# Altium PCB 190830 Diff Pressure Sensors.PcbDoc (continued)
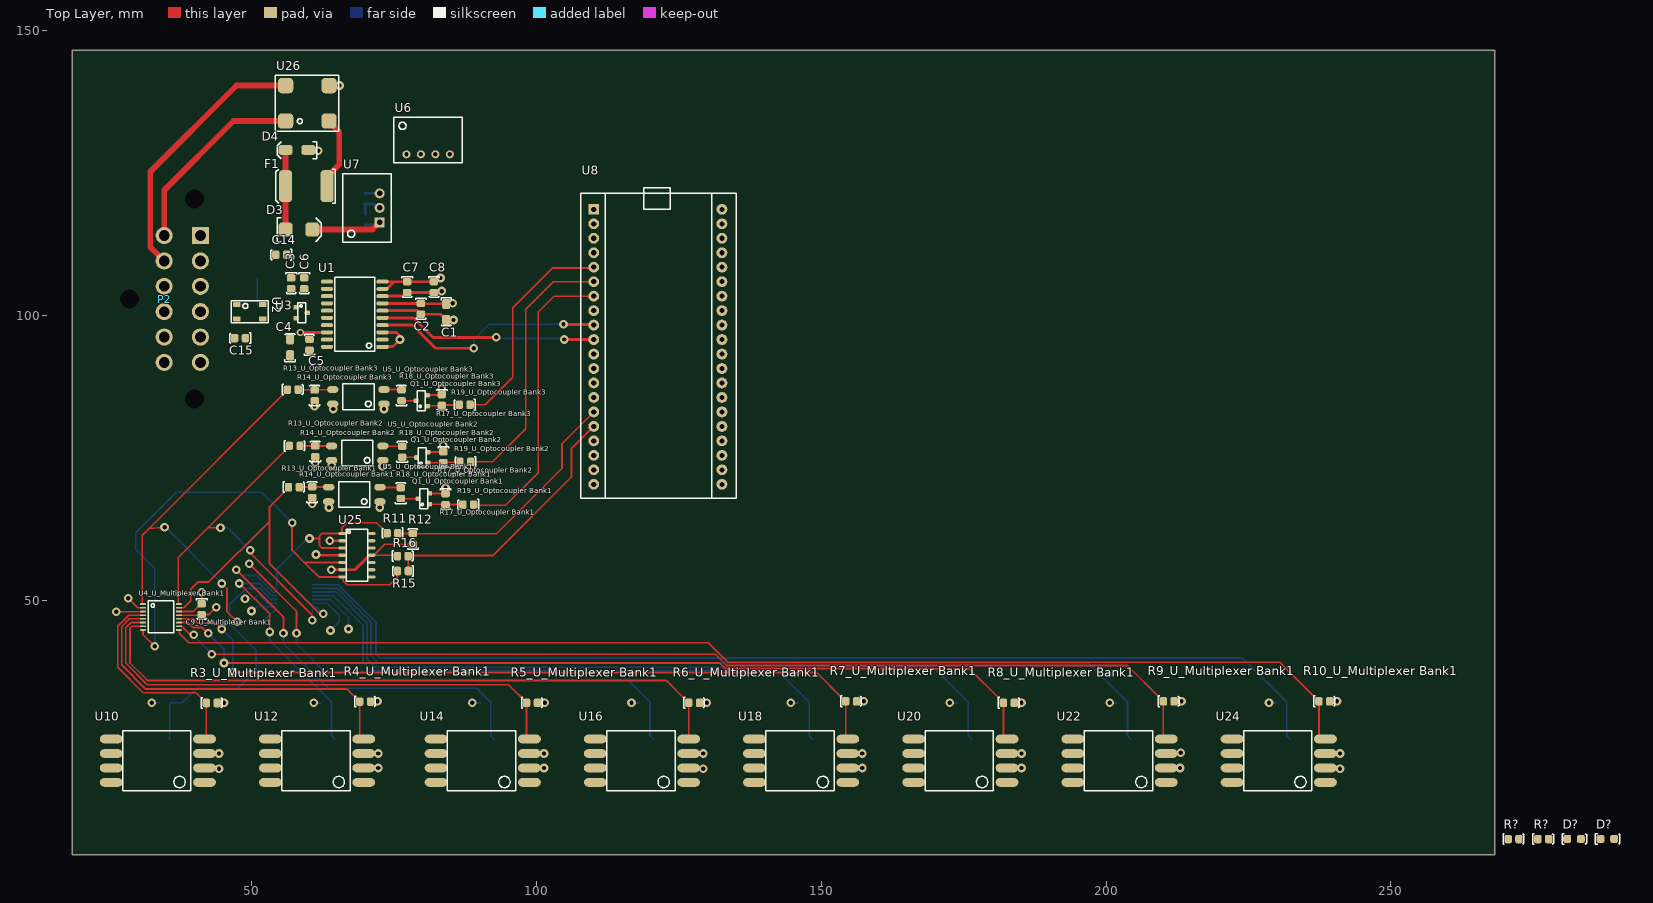
[diagram p0: Top Layer view]
## Footprints (in the part's own frame and the unit in brackets; to place one, negate y for a bottom-side part, rotate by r counter-clockwise, add the part's x,y. Pads: shape width x height; smd on the part's side, far side on the other; paste and mask are expansions set on the pad) (continued)
  oval 1.52x4 smd: 1(-4.08,-10.38) 2(-1.54,-10.38) 3(1,-10.38) 4(3.54,-10.38) 5(3.54,6) 6(1,6) 7(-1.54,6) 8(-4.08,6)
  silkscreen extent -5.5,-8 5,4, body extent -12.97,-10.89 5.95,6.89, height 10.15
"ON 4-SMD" [mm] "SOP, 4-Leads, Body 3.85x4.4mm, Pitch 2.54mm, IPC Medium Density"
  oval 2x1.2 smd: 1(-4.75,1.27) 2(-4.75,-1.27) 3(4.25,-1.27) 4(4.25,1.27)
  silkscreen extent -3,-2.25 2.5,2.25, body extent -5.33,-2.3 4.83,2.3, height 4.6
"ON SOT-23" [mm] "NUP2105L"
  rrect50% 0.8x0.9 smd: 1(-0.95,-1) 2(0.95,-1) 3(0,1)
  silkscreen extent -1.75,-0.65 1.75,0.75, body extent -1.5,-1.27 1.5,1.28, height 1
"ON SOT-23 BJT" [mm] "NUP2105L"
  rrect50% 0.8x0.9 smd: B(-0.95,-1) C(0,1) E(0.95,-1)
  silkscreen extent -1.75,-0.65 1.75,0.75, body extent -1.5,-1.27 1.5,1.28, height 1
"RECOM 3-SIP" [mm] "12 to 42 Vdc In, 9 Vdc Out"
  rect 1.75x1.75 hole 1: 1(0,0)
  round 1.75 hole 1: 2(2.54,0) 3(5.08,0)
  silkscreen extent -3.5,-2 8.5,6.5, body extent -3.26,-2.02 8.34,6.48, height 11.41
"RECOM 4-SIP" [mil]
  round 55 hole 30: 1(-150,0) 2(-50,0) 3(50,0) 4(150,0)
  silkscreen extent -236,-59 236,256, body extent -225,-51 227,249, height 122
"SMA Diode" [mm]
  rrect50% 2.5x1.7 smd: A(0,0) K(4,0)
  silkscreen extent -1.5,-1.4 5.5,1.5, body extent -0.8,-1.46 4.79,1.46, height 2.35
"SMB Diode" [mm]
  rrect50% 2.5x2.5 smd: A(-0.25,0) K(4.45,0)
  silkscreen extent -1.75,-2.1 6,2.1, body extent -0.69,-1.97 4.9,1.97, height 2.5
"TDK 4-PC Pad" [mm]
  rrect50% 1.35x0.9 smd: 1(0,0) 2(0,-2.5) 3(4.55,-2.5) 4(4.55,0)
  silkscreen extent -1,-3.2 5.5,0.7, body extent -0.02,-2.82 4.48,0.38, height 2.8
"TI 14-SOIC" [mil]
  oval 22x52 smd: 1(-750,102.36) 2(-700,102.36) 3(-650,102.36) 4(-600,102.36) 5(-550,102.36) 6(-500,102.36) 7(-450,102.36) 8(-450,307.09) 9(-500,307.09) 10(-550,307.09) 11(-600,307.09) 12(-650,307.09) 13(-700,307.09) 14(-750,307.09)
  silkscreen extent -780,130 -420,280, body extent -770,86 -430,323, height 69
"Wurth 4-PC Pad" [mm]
  rrect50% 2.7x2.7 smd: 1(7.62,6.22) 2(0,6.22) 3(0,0) 4(7.62,0)
  silkscreen extent -1.7,-1.8 9.4,8, body extent -1.19,-1.24 8.81,7.46, height 6.2

## Part data
C1 C4: library part GCM3195C2A103JA16D, Digikey Part Number=490-4978-2-ND, Manufacturer=muRata, Rated Voltage=100V, Tolerance=5%, Material=Ceramic, Part Number=GCM3195C2A103JA16D
C2 C3 C6 C8 "C9_U_Multiplexer Bank1" "C9_U_Multiplexer Bank2": library part GCM21BR71E104KA37L, Manufacturer=muRata, Rated Voltage=25V, Tolerance=10%, Material=X7R, Part Number=GCM21BR71E104KA37L
C5 C7 C10: library part GCM21BR61A106KA37L, Manufacturer=muRata, Rated Voltage=10V, Tolerance=10%, Material=X5R, Part Number=GCM21BR61A106KA37L
C11: library part GRM21BR61A226ME51L, Digikey Part Number=490-10511-1-ND, Manufacturer=muRata, Rated Voltage=10V, Tolerance=20%, Material=X5R, Part Number=GRM21BR61A226ME51L
C12 C13 C14 C15: library part GCM21B5C1H101JA37L, Manufacturer=muRata, Rated Voltage=50V, Tolerance=5%, Material=C0G, Part Number=GCM21B5C1H101JA37L
D3: "1.2V_F 600V 5A SMB", Digikey Part Number=1655-1530-2-ND, Manufacturer="SMC Diode Solutions", Digikey Link=https://www.digikey.com/product-detail/en/smc-diode-solutions/SD560BTR/1655-1530-2-ND/6022620, Part Number=SD560BTR
D4: "18V Zener 1W SND", Digikey Part Number=SMAZ18-FDITR-ND, Manufacturer="Diodes Inc", Digikey Link=https://www.digikey.com/product-detail/en/diodes-incorporated/SMAZ18-13-F/SMAZ18-FDITR-ND/814767, Part Number=SMAZ18-13-F
D? D?: library part HSMC-C150, "LED RED DIFFUSED CHIP SMD", Colour=Red, Digikey Part Number=516-2825-6-ND, Manufacturer="Broadcom Limited", Digikey Link=https://www.digikey.com/product-detail/en/broadcom-limited/HSMC-C150/516-2825-6-ND/3909256?fbclid=IwAR2hVV2vYJcbWsIs_3EqR0QBOyA6LwU6df6IvICmZNpvG1t88kw8zHX_qN0, Part Number=HSMC-C150
F1: "SMD 24V 2A Fuse", Digikey Part Number=507-1749-2-ND, Manufacturer="Bel Fuse Inc", Digikey Link=https://www.digikey.com/product-detail/en/bel-fuse-inc/0ZCF0200AF2C/507-1749-2-ND/4156090, Part Number=0ZCF0200AF2C
P2: library part DT13-12P[[/\]]DT13-12P, Digikey Part Number=1734-1451-ND, Angle=90, Contact=Nickel, Digikey Link=https://www.digikey.com.au/product-detail/en/te-connectivity-deutsch-connectors/DT13-12PA/1734-1451-ND/7220123, Flange=Yes, Part Number=DT13-12P, Pitch=4.44mm, Positions=12, Row Spacing=6.35mm
"Q1_U_Optocoupler Bank1" "Q1_U_Optocoupler Bank2" "Q1_U_Optocoupler Bank3": "300mW  BJT NPN Transistor", Digikey Part Number=BC817-16LT1OSTR-ND, Manufacturer="ON Semiconductor", Digikey Link=https://www.digikey.com.au/product-detail/en/on-semiconductor/BC817-16LT1/BC817-16LT1OSTR-ND/606178, Part Number=BC817-16LT1
R1: library part RC0805FR070RL, Manufacturer=YAGEO, Rated Voltage=0.125W, Tolerance=0.01, Material=FR-07, Part Number=RC0805FR070RL, Qty=50
"R3_U_Multiplexer Bank1" "R3_U_Multiplexer Bank2" "R4_U_Multiplexer Bank1" "R4_U_Multiplexer Bank2" "R5_U_Multiplexer Bank1" "R5_U_Multiplexer Bank2" "R6_U_Multiplexer Bank1" "R6_U_Multiplexer Bank2" "R7_U_Multiplexer Bank1" "R7_U_Multiplexer Bank2" "R8_U_Multiplexer Bank1" "R8_U_Multiplexer Bank2" "R9_U_Multiplexer Bank1" "R9_U_Multiplexer Bank2" "R10_U_Multiplexer Bank1" "R10_U_Multiplexer Bank2" "R14_U_Optocoupler Bank1" "R14_U_Optocoupler Bank2" "R14_U_Optocoupler Bank3" "R17_U_Optocoupler Bank1" "R17_U_Optocoupler Bank2" "R17_U_Optocoupler Bank3": library part RC0805FR0710KL, Manufacturer=YAGEO, Rated Voltage=0.125W, Tolerance=0.01, Material=FR-07, Part Number=RC0805FR0710KL, Qty=50
R11 R15: library part RC0805FR07430RL, Manufacturer=YAGEO, Rated Voltage=0.125W, Tolerance=0.01, Material=FR-07, Part Number=RC0805FR07430RL, Qty=50
R12 R16: library part RC0805FR072KL, Manufacturer=YAGEO, Rated Voltage=0.125W, Tolerance=0.01, Material=FR-07, Part Number=RC0805FR072KL, Qty=50
"R13_U_Optocoupler Bank1" "R13_U_Optocoupler Bank2" "R13_U_Optocoupler Bank3" "R18_U_Optocoupler Bank1" "R18_U_Optocoupler Bank2" "R18_U_Optocoupler Bank3" "R19_U_Optocoupler Bank1" "R19_U_Optocoupler Bank2" "R19_U_Optocoupler Bank3": library part RC0805FR071KL, Manufacturer=YAGEO, Rated Voltage=0.125W, Tolerance=0.01, Material=FR-07, Part Number=RC0805FR071KL, Qty=50
R? R?: library part RC0805FR071K5L, Manufacturer=YAGEO, Rated Voltage=0.125W, Tolerance=0.01, Material=FR-07, Part Number=RC0805FR071K5L, Qty=50
U1: "Isolated CAN Transceiver", Digikey Part Number=ADM3053BRWZ-ND, Manufacturer="Analogue Devices", Digikey Link=https://www.digikey.com/product-detail/en/analog-devices-inc/ADM3053BRWZ/ADM3053BRWZ-ND/2709332, Part Number=ADM3053
U2: "Common mode choke intended for CANBUS 150mA 50V)", Digikey Part Number=495-4598-2-ND, Manufacturer="EPCOS (TDK)", Digikey Link=https://www.digikey.com/product-detail/en/epcos-tdk/B82787C0104H002/495-4598-2-ND/3680998, Part Number=B82787C0104H002
U3: "Dual Line CAN Bus Protector", Digikey Part Number=NUP2105LT1GOSCT-ND, Manufacturer="ON Semiconductor", Digikey Link=https://www.digikey.com/product-detail/en/on-semiconductor/NUP2105LT1G/NUP2105LT1GOSCT-ND/1485001, Part Number=NUP2105L, Type="CAN ESD Protection"
"U4_U_Multiplexer Bank1" "U4_U_Multiplexer Bank2": "2 Circuit IC Switch 4:1 4.5 Ohm 16-TSSOP", Digikey Part Number=ADG709CRUZ-REEL7TR-ND, Manufacturer="Analogue Devices", Digikey Link=https://www.digikey.com/product-detail/en/analog-devices-inc/ADG709CRUZ-REEL7/ADG709CRUZ-REEL7TR-ND/995219, Part Number=ADG709
"U5_U_Optocoupler Bank1" "U5_U_Optocoupler Bank2" "U5_U_Optocoupler Bank3": "35V 50ma Optocoupler (VF=1.2V)", Digikey Part Number=160-1893-2-ND, Manufacturer="Lite-On Inc", Digikey Link=https://www.digikey.com/product-detail/en/lite-on-inc/LTV-817S-TA1/160-1893-2-ND/388451, Part Number=LTV-817S-TA1
U6: "5V DC-DC Converter (2W)", Digikey Part Number=945-1189-ND, Manufacturer=Recom, Digikey Link=https://www.digikey.com/product-detail/en/recom-power/RI-0505S/945-1189-ND/2256369, Part Number=RI-0505S
U7: "CONV DC/DC 1A 5V OUT SIP VERT", Digikey Part Number=945-1395-5-ND, Manufacturer=Recom, Digikey Link=https://www.digikey.com.au/product-detail/en/recom-power/R-78C5.0-1.0/945-1395-5-ND/2652148, Part Number=R-78C5.0-1.0
U8: "ARM M3 mBed Enabled Microcontroller", Digikey Part Number=568-4916-ND, Manufacturer=NXP, Digikey Link=https://www.digikey.com/product-detail/en/nxp-usa-inc/OM11043,598/568-4916-ND/2138502, Part Number="LPC1768 MBED"
U9 U10 U11 U12 U13 U14 U15 U16 U17 U18 U19 U20 U21 U22 U23 U24: "Pressure Sensor ±0.29PSI (±2kPa) Differential Male - 0.13\" (3.3mm) Tube, Dual 0.5 V ~ 4.5 V 8-BSOP (0.475\", 12.06mm Width) Dual Ports, Same Side", Digikey Part Number=MPXV7002DP-ND, Manufacturer=NXP, Digikey Link=https://www.digikey.com.au/product-detail/en/nxp-usa-inc/MPXV7002DP/MPXV7002DP-ND/1168436?fbclid=IwAR0MQZl90cLpuihBZbsL3GvMnSHGSbwsdkIDRrDTi8UoGVz_88UawI4CY1w, Part Number=MPXV7002DP
U25: "IC OPAMP GP 4 CIRCUIT 14SOIC", Digikey Part Number=296-1390-5-ND, Manufacturer="Texas Instruments", Digikey Link=https://www.digikey.com/product-detail/en/texas-instruments/LM324D/296-1390-5-ND/277039, Part Number=LM324D
U26: "Common Mode Choke 120UH 2.5A 2LN 460 OHM SMD", Digikey Part Number=732-1489-2-ND, Manufacturer="Wurth Electronics Inc", Digikey Link=https://www.digikey.com/product-detail/en/wurth-electronics-inc/744272121/732-1489-2-ND/1638893, Part Number=744272121

## Via types
v1: diameter 1.524, hole 0.762, Top Layer to Bottom Layer, 88 vias
v2: diameter 1.27, hole 0.711, Top Layer to Bottom Layer, 1 vias

## Nets (pads, with @x,y where several pads share a name; then routed paths per layer and width w, separated by ;. In a path a pad name is that pad's centre, name@x,y a point inside that pad or via, vN(x,y) a via of type N, cw(c..) or ccw(c..) an arc to the next point about the centre after c; other vN are vias at no path point)
0V: "C9_U_Multiplexer Bank1.1" "C9_U_Multiplexer Bank2.1" "R14_U_Optocoupler Bank1.1" "R14_U_Optocoupler Bank2.1" "R14_U_Optocoupler Bank3.1" "U4_U_Multiplexer Bank1.3" "U4_U_Multiplexer Bank1.14" "U4_U_Multiplexer Bank2.3" "U4_U_Multiplexer Bank2.14" C10.1 C11.1 D4.A R12.1 R16.1 R?.1@270.564,8.102 U6.1 U7.2 U9.3 U10.3 U11.3 U12.3 U13.3 U14.3 U15.3 U16.3 U17.3 U18.3 U19.3 U20.3 U21.3 U22.3 U23.3 U24.3 U25.2 U25.6 U25.11 U26.3 | length 79.1
  Top Layer w0.3: v1(26.289,48.006) 30.958,48.006 30.988,48.036 ; 37.288,48.036 39.808,48.036 41.175,49.403 41.275,49.403 v1(41.275,51.435) ; U10.3 v1(44.323,23.114) ; U12.3 v1(72.263,23.114) ; U25.11@71.31,57.912 71.501,57.912 73.411,59.822 R12.1 ; U25.11@71.322,57.901 R16.1@75.477,57.901 ; U14.3 v1(101.346,23.114) ; U16.3 v1(129.286,23.114) ; U18.3 v1(157.226,23.114) ; U20.3 v1(185.166,23.114) ; U22.3 210.627,23.177 213.042,23.177 v1(213.106,23.241) ; U24.3 v1(241.046,23.114)
  Top Layer w0.5: v1(64.008,55.372) U25.6 68.199,55.372 70.739,57.912 U25.11 ; v1@64.008,60.452 U25.2 ; U25.11@71.31,57.912 U25.11@71.322,57.901 ; R16.1@75.477,57.901 R16.1 R16.1@75.619,57.659
  Top Layer w1: D4.A 60.131,128.908 v1(61.757,128.908) ; 60.68,68.028 60.703,68.005 60.703,66.932 v1(60.706,66.929) ; v1(61.214,74.168) 61.214,75.189 ; U26.3 63.628,140.333 v1(65.477,140.333)
  Bottom Layer w0.3: v1(48.895,50.292) 50.107,50.292 50.169,50.354 50.561,50.354 50.953,50.746 ; 51.461,50.873 52.834,49.5 54.406,49.5 ; 60.706,49.5 63.276,49.5 65.405,47.371 65.405,46.228 v1(63.881,44.704)
  Bottom Layer w0.5: C10.1 69.977,117.828 69.977,119.535 C11.1 71.49,119.561 72.179,118.872 U7.2
  other v1: 63.754,60.452 61.087,84.074
"0V (ISO)": "Q1_U_Optocoupler Bank1.E" "Q1_U_Optocoupler Bank2.E" "Q1_U_Optocoupler Bank3.E" "R17_U_Optocoupler Bank1.1" "R17_U_Optocoupler Bank2.1" "R17_U_Optocoupler Bank3.1" C1.1 C2.1 C7.1 C8.1 R?.1@275.771,8.102 U1.1 U1.3 U1.7 U1.9 U1.10 U6.3 U8.3 | length 44.2
  Top Layer w0.3: 80.899,85.979 80.96,86.04 83.378,86.04 83.439,86.101 ; 81.01,76.007 81.043,76.04 83.66,76.04 83.693,76.073 ; 81.264,68.768 81.297,68.735 84.041,68.735 84.074,68.702
  Top Layer w0.5: U1.1 73.076,94.539 74.854,94.539 v1(76.073,95.758) 76.073,96.393 75.438,97.028 U1.3 ; U1.7 C2.1 79.819,102.044 84.138,102.044 C1.1 84.264,102.044 85.281,102.044 v1(85.344,102.108) ; U1.9 73.749,104.648 75.019,105.918 ; U1.10 75.019,105.918 ; v1(83.185,106.553) 82.989,106.357 82.622,106.357 82.183,105.918 C8.1 C7.1 75.019,105.918
  Top Layer w1: 83.439,86.101 v1(83.439,87.122) ; 83.693,76.073 v1(83.693,77.216) ; 84.074,68.702 v1(84.074,69.723)
"5kW Active": P2.8
5V: "C9_U_Multiplexer Bank1.2" "C9_U_Multiplexer Bank2.2" "R3_U_Multiplexer Bank1.2" "R3_U_Multiplexer Bank2.2" "R4_U_Multiplexer Bank1.2" "R4_U_Multiplexer Bank2.2" "R5_U_Multiplexer Bank1.2" "R5_U_Multiplexer Bank2.2" "R6_U_Multiplexer Bank1.2" "R6_U_Multiplexer Bank2.2" "R7_U_Multiplexer Bank1.2" "R7_U_Multiplexer Bank2.2" "R8_U_Multiplexer Bank1.2" "R8_U_Multiplexer Bank2.2" "R9_U_Multiplexer Bank1.2" "R9_U_Multiplexer Bank2.2" "R10_U_Multiplexer Bank1.2" "R10_U_Multiplexer Bank2.2" "U4_U_Multiplexer Bank1.2" "U4_U_Multiplexer Bank1.13" "U4_U_Multiplexer Bank2.2" "U4_U_Multiplexer Bank2.13" "U5_U_Optocoupler Bank1.4" "U5_U_Optocoupler Bank2.4" "U5_U_Optocoupler Bank3.4" C11.2 D?.A@280.937,8.128 U6.2 U7.3 U9.2 U10.2 U11.2 U12.2 U13.2 U14.2 U15.2 U16.2 U17.2 U18.2 U19.2 U20.2 U21.2 U22.2 U23.2 U24.2 U25.4 | length 74.4
  Top Layer w0.3: v1(28.384,50.355) 30.054,48.686 30.988,48.686 ; 37.288,47.386 41.158,47.386 41.275,47.503 42.55,47.503 v1(43.815,48.768) ; U10.2 41.846,20.511 44.259,20.511 v1(44.323,20.447) ; 43.991,31.978 44.004,31.991 45.199,31.991 v1(45.212,32.004) ; U12.2 v1(72.263,20.574) ; 70.915,32.232 70.928,32.245 72.123,32.245 v1(72.136,32.258) ; U14.2 v1(101.346,20.574) ; 100.203,32.004 v1(101.473,32.004) ; U16.2 126.807,20.511 129.222,20.511 v1(129.286,20.447) ; 128.651,32.004 v1(129.921,32.004) ; U18.2 v1(157.226,20.574) ; 156.205,32.258 v1(157.48,32.258) ; U20.2 v1(185.166,20.574) ; 183.891,32.004 v1(185.166,32.004) ; U22.2 v1(212.979,20.574) ; 211.963,32.258 v1(213.233,32.258) ; U24.2 238.567,20.511 240.982,20.511 v1(241.046,20.447) ; 239.263,32.258 v1(240.538,32.258)
  Top Layer w0.5: v1(61.341,58.039) 61.468,57.912 U25.4
  Top Layer w1: 63.568,67.31 63.624,67.254 63.624,66.297 v1(63.627,66.294) ; 64.076,74.549 64.132,74.493 64.132,73.663 v1(64.135,73.66)
  Bottom Layer w0.3: v1(32.512,32.004) 33.787,32.004 ; v1(50.038,48.133) 50.24,48.133 50.953,48.846 51.053,48.846 ; 51.461,48.973 51.584,48.85 54.406,48.85 ; 60.706,50.15 63.896,50.15 67.056,46.99 v1(67.056,44.958) ; v1(60.96,32.004) 60.973,31.991 62.168,31.991 62.181,31.978 ; v1(88.773,32.004) 88.786,31.991 90.108,31.991 90.121,31.978 ; v1(116.713,32.004) 116.726,31.991 118.048,31.991 118.061,31.978 ; v1(144.653,32.004) 144.666,31.991 145.988,31.991 146.001,31.978 ; v1(172.593,32.004) 172.606,31.991 173.928,31.991 173.941,31.978 ; v1(200.66,32.004) 200.673,31.991 201.868,31.991 201.881,31.978 ; v1(228.6,32.004) 228.613,31.991 229.808,31.991 229.821,31.978
  Bottom Layer w0.5: C11.2 69.975,121.436 72.493,121.436 U7.3
  other v1: 64.389,83.566
"5V (ISO)": "U5_U_Optocoupler Bank1.1" "U5_U_Optocoupler Bank2.1" "U5_U_Optocoupler Bank3.1" C1.2 C2.2 C7.2 C8.2 D?.A@286.779,8.128 U1.6 U1.8 U6.4 U8.2 | length 27
  Top Layer w0.5: U1.6 79.126,100.838 C2.2 83.174,100.208 83.613,99.769 83.759,99.769 84.201,99.327 C1.2 84.204,99.184 85.468,99.184 v1(85.471,99.187) ; U1.8 76.562,103.378 77.202,104.018 C7.2 C8.2 82.166,104.143 83.315,104.143 v1(83.439,104.267)
  Top Layer w1: v1(72.517,66.294) 72.52,66.297 72.52,67.262 72.568,67.31 ; v1(73.025,73.533) 73.028,73.536 73.028,74.501 73.076,74.549 ; v1(73.279,83.566) 73.279,84.455
A0: "R13_U_Optocoupler Bank3.1" "U4_U_Multiplexer Bank1.1" "U4_U_Multiplexer Bank2.1" | length 81.3
  Top Layer w0.3: 30.988,49.336 30.861,49.336 30.861,61.415 32.031,62.584 ; v1@34.29,62.611 v1(34.771,62.838) 32.031,62.584 ; v1(44.831,52.959) 45.72,52.07 45.72,48.006 v1(47.498,46.228) ; 56.315,86.969 56.315,86.869 32.031,62.584
  Bottom Layer w0.3: v1(34.771,62.838) 34.952,62.838 v1(44.831,52.959) ; v1(47.498,46.228) 52.059,46.228 54.031,48.2 54.406,48.2
"A0 (ISO)": "R19_U_Optocoupler Bank3.1" U8.5 | length 38.8
  Top Layer w0.3: 88.387,84.328 91.059,84.328 95.885,89.154 95.885,101.346 102.87,108.331 109.961,108.331 U8.5
A1: "R13_U_Optocoupler Bank2.1" "U4_U_Multiplexer Bank1.16" "U4_U_Multiplexer Bank2.16" | length 63.5
  Top Layer w0.3: 37.288,49.336 37.161,49.336 37.161,57.508 42.391,62.738 ; v1(44.577,62.738) 42.391,62.738 ; v1(49.784,58.801) 49.784,58.293 60.706,47.371 v1(60.706,46.482) ; 56.642,77.089 56.642,76.989 42.391,62.738
  Bottom Layer w0.3: v1(44.577,62.738) 45.847,62.738 v1(49.784,58.801) ; v1(60.706,46.482) 60.706,48.2
"A1 (ISO)": "R19_U_Optocoupler Bank2.1" U8.6 | length 46.9
  Top Layer w0.3: 88.514,74.295 92.329,74.295 98.171,80.137 98.171,101.092 102.997,105.918 U8.6
A2: "R13_U_Optocoupler Bank1.1" "U4_U_Multiplexer Bank1.15" "U4_U_Multiplexer Bank2.15" | length 53.7
  Top Layer w0.3: 37.288,48.686 38.145,48.686 39.37,49.911 39.37,51.943 40.651,53.224 42.534,53.224 53.202,63.892 ; 56.52,69.85 56.52,69.75 53.202,66.432 53.202,63.892 ; v1(62.611,47.625) 61.976,47.625 53.202,56.399 53.202,63.892
  Bottom Layer w0.3: 60.706,48.85 61.386,48.85 v1(62.611,47.625)
"A2 (ISO)": "R19_U_Optocoupler Bank1.1" U8.7 | length 52.8
  Top Layer w0.3: 89.022,66.802 89.149,66.675 94.615,66.675 100.33,72.39 100.33,100.584 103.124,103.378 U8.7
CANH: C12.2 P2.3 U2.2 | length 0
  Bottom Layer w0.3: C12.2@48.662,101.362 C12.2@48.667,101.362
CANL: C13.2 P2.2 U2.1
CANS: C3.1 C4.1 C5.1 C6.1 C12.1 C13.1 C14.1 C15.1 P2.1 R1.1 U1.11 U1.13 U1.16 U1.20 U3.3 | length 4.7
  Bottom Layer w0.3: C12.1 C13.1
GLV+: P2.12 U26.1 | length 34.3
  Top Layer w1: P2.12 34.7,121.949 46.863,134.112 U26.1
GLV-: P2.11 U26.4 | length 46.7
  Top Layer w1: P2.11 32.258,111.997 32.258,125.222 47.368,140.332 U26.4
NetC3_2: C3.2 C4.2 C5.2 C6.2 U1.12 U1.19
NetC10_2: C10.2 D3.K U7.1 | length 15.5
  Top Layer w1: D3.K 71.247,115.062 U7.1 U7.1@72.875,116.69
  Bottom Layer w0.5: C10.2 72.087,115.902 U7.1
NetC14_2: C14.2 U1.15 U2.4 U3.1
NetC15_2: C15.2 U1.17 U2.3 U3.2
NetD3_A: D3.A D4.K F1.2 | length 14
  Top Layer w1: D4.K F1.2 56.009,122.68 56.009,115.064 D3.A
NetD?_K: D?.K@283.337,8.128 R?.2@272.464,8.102
NetF1_1: F1.1 U26.2 | length 13
  Top Layer w1: F1.1 63.307,124.332 65.405,126.43 65.405,132.239 63.627,134.017 U26.2
"NetQ1_U_Optocoupler Bank1_B": "Q1_U_Optocoupler Bank1.B" "R17_U_Optocoupler Bank1.2" "R19_U_Optocoupler Bank1.2" | length 5.9
  Top Layer w0.3: 81.264,66.868 81.297,66.835 84.041,66.835 84.074,66.802 87.122,66.802
"NetQ1_U_Optocoupler Bank1_C": "Q1_U_Optocoupler Bank1.C" "R18_U_Optocoupler Bank1.1" | length 3.1
  Top Layer w0.3: 76.226,67.872 76.253,67.845 79.237,67.845 79.264,67.818
"NetQ1_U_Optocoupler Bank2_B": "Q1_U_Optocoupler Bank2.B" "R17_U_Optocoupler Bank2.2" "R19_U_Optocoupler Bank2.2" | length 5.7
  Top Layer w0.3: 81.01,74.107 81.043,74.14 83.66,74.14 83.693,74.173 83.754,74.234 86.553,74.234 86.614,74.295
"NetQ1_U_Optocoupler Bank2_C": "Q1_U_Optocoupler Bank2.C" "R18_U_Optocoupler Bank2.1" | length 2.6
  Top Layer w0.3: 76.48,75.111 76.507,75.084 78.983,75.084 79.01,75.057
"NetQ1_U_Optocoupler Bank3_B": "Q1_U_Optocoupler Bank3.B" "R17_U_Optocoupler Bank3.2" "R19_U_Optocoupler Bank3.2" | length 5.7
  Top Layer w0.3: 80.899,84.079 80.96,84.14 83.378,84.14 83.439,84.201 83.502,84.264 86.423,84.264 86.487,84.328
"NetQ1_U_Optocoupler Bank3_C": "Q1_U_Optocoupler Bank3.C" "R18_U_Optocoupler Bank3.1" | length 2.6
  Top Layer w0.3: 76.353,85.017 76.359,85.023 78.893,85.023 78.899,85.029
NetR1_2: R1.2 U1.18 | length 4.7
  Top Layer w0.5: v2(58.6,97) 58.628,97.028 U1.18
NetR11_1: R11.1 R12.2 U8.15 | length 45.8
  Top Layer w0.3: R11.1 75.768,61.722 R12.2 78.422,61.658 93.027,61.658 104.521,73.152 104.521,77.491 U8.15
NetR11_2: "U4_U_Multiplexer Bank2.8" R11.2 U25.1 U25.3 | length 32.6
  Top Layer w0.3: v1(60.198,60.833) 61.976,60.833 ; U25.3 62.357,59.182 61.976,59.563 61.976,60.833 ; R11.2 73.816,61.78 73.329,62.266 73.324,62.266 71.963,63.627 66.809,63.627 65.92,62.738 U25.1 62.357,61.722 61.976,61.341 61.976,60.833
  Bottom Layer w0.3: 54.406,52.75 54.483,52.75 54.483,55.499 59.563,60.579 59.944,60.579 v1(60.198,60.833)
"NetR13_U_Optocoupler Bank1_2": "R13_U_Optocoupler Bank1.2" "R14_U_Optocoupler Bank1.2" "U5_U_Optocoupler Bank1.3" | length 5.2
  Top Layer w0.3: 58.42,69.85 58.459,69.889 60.641,69.889 60.68,69.928 60.719,69.889 63.529,69.889 63.568,69.85
"NetR13_U_Optocoupler Bank2_2": "R13_U_Optocoupler Bank2.2" "R14_U_Optocoupler Bank2.2" "U5_U_Optocoupler Bank2.3" | length 5.5
  Top Layer w0.3: 58.542,77.089 61.214,77.089 64.076,77.089
"NetR13_U_Optocoupler Bank3_2": "R13_U_Optocoupler Bank3.2" "R14_U_Optocoupler Bank3.2" "U5_U_Optocoupler Bank3.3" | length 6.1
  Top Layer w0.3: 58.215,86.969 58.241,86.943 61.087,86.943 61.113,86.917 61.152,86.956 64.24,86.956 64.279,86.995
NetR15_1: R15.1 R16.2 U8.16 | length 47.5
  Top Layer w0.3: R15.1@77.531,55.156 R16.2@77.531,57.747 ; R16.2@77.609,57.848 78.408,57.848 92.392,57.848 106.172,71.628 106.172,76.602 U8.16
  Top Layer w0.5: R15.1@77.531,55.156 R15.1 ; R16.2@77.531,57.747 R16.2 R16.2@77.609,57.848
NetR15_2: "U4_U_Multiplexer Bank1.8" R15.2 U25.5 U25.7 | length 92.1
  Top Layer w0.3: 30.988,44.786 30.988,43.942 v1(33.02,41.91) ; v1(57.15,63.627) 57.15,58.801 59.309,56.642 ; U25.5 59.309,56.642 ; R15.2 75.565,55.066 75.565,53.975 74.295,52.705 66.809,52.705 66.141,53.373 66.141,53.982 66.022,54.102 U25.7 61.849,54.102 59.309,56.642
  Bottom Layer w0.3: v1(33.02,41.91) 33.02,55.626 29.718,58.928 29.718,61.849 36.83,68.961 51.816,68.961 v1(57.15,63.627)
"NetR18_U_Optocoupler Bank1_2": "R18_U_Optocoupler Bank1.2" "U5_U_Optocoupler Bank1.2" | length 3.7
  Top Layer w0.3: 72.568,69.85 72.607,69.811 76.187,69.811 76.226,69.772
"NetR18_U_Optocoupler Bank2_2": "R18_U_Optocoupler Bank2.2" "U5_U_Optocoupler Bank2.2" | length 3.4
  Top Layer w0.3: 73.076,77.089 73.115,77.05 76.441,77.05 76.48,77.011
"NetR18_U_Optocoupler Bank3_2": "R18_U_Optocoupler Bank3.2" "U5_U_Optocoupler Bank3.2" | length 3.1
  Top Layer w0.3: 73.279,86.995 76.275,86.995 76.353,86.917
RX: U1.4 U8.9 | length 41.4
  Top Layer w0.5: U1.4 78.242,98.298 82.306,94.234 v1(89.027,94.234) ; v1(104.775,98.425) 109.961,98.425 U8.9
  Bottom Layer w0.3: v1(89.027,94.234) 89.027,95.758 91.694,98.425 v1(104.775,98.425)
"SDN In": P2.10
"SDN Out": P2.9
"Sensor 1": "R3_U_Multiplexer Bank2.1" "U4_U_Multiplexer Bank2.4" U9.4 | length 47.5
  Bottom Layer w0.3: U9.4 35.687,25.778 35.687,32.004 37.846,32.004 40.386,34.544 47.625,34.544 50.8,37.719 50.8,41.275 46.228,45.847 46.228,49.276 49.022,52.07 51.577,52.07 52.324,51.323 52.324,51.23 53.404,50.15 54.406,50.15
"Sensor 2": "R4_U_Multiplexer Bank2.1" "U4_U_Multiplexer Bank2.5" U11.4 | length 41.7
  Top Layer w0.3: v1(47.879,52.959) 53.213,47.625 v1(53.213,44.45)
  Bottom Layer w0.3: v1(47.879,52.959) 51.472,52.959 53.631,50.8 54.406,50.8 ; v1(53.213,44.45) 53.213,42.946 64.081,32.078 64.081,31.978 64.081,26.216 U11.4
"Sensor 3": "R5_U_Multiplexer Bank2.1" "U4_U_Multiplexer Bank2.6" U13.4 | length 72.1
  Top Layer w0.3: v1(47.371,55.372) 55.626,47.117 v1(55.626,44.196)
  Bottom Layer w0.3: v1@47.498,55.118 48.26,54.356 50.858,54.356 53.764,51.45 54.406,51.45 ; v1(55.626,44.196) 55.626,42.418 63.5,34.544 89.555,34.544 92.021,32.078 92.021,31.978 92.021,26.216 U13.4
"Sensor 4": "R6_U_Multiplexer Bank2.1" "U4_U_Multiplexer Bank2.7" U15.4 | length 97.4
  Top Layer w0.3: v1(49.61,56.388) 57.912,48.086 v1(57.912,44.196)
  Bottom Layer w0.3: v1@49.149,56.388 v1(49.61,56.388) 53.802,52.196 53.935,52.196 54.031,52.1 54.406,52.1 ; v1(57.912,44.196) 57.912,42.418 64.389,35.941 116.098,35.941 119.961,32.078 119.961,31.978 119.961,26.216 U15.4
"Sensor 5": "R7_U_Multiplexer Bank2.1" "U4_U_Multiplexer Bank2.12" U17.4 | length 105.4
  Bottom Layer w0.3: 60.706,50.8 64.389,50.8 69.596,45.593 69.596,39.116 70.993,37.719 142.26,37.719 147.901,32.078 147.901,31.978 147.901,26.216 U17.4
"Sensor 6": "R8_U_Multiplexer Bank2.1" "U4_U_Multiplexer Bank2.11" U19.4 | length 133.5
  Bottom Layer w0.3: 60.706,51.45 64.882,51.45 70.358,45.974 70.358,39.673 71.758,38.273 169.646,38.273 175.841,32.078 175.841,31.978 175.841,26.216 U19.4
"Sensor 7": "R9_U_Multiplexer Bank2.1" "U4_U_Multiplexer Bank2.10" U21.4 | length 161.5
  Bottom Layer w0.3: 60.706,52.1 63.343,52.1 63.373,52.07 65.151,52.07 70.993,46.228 70.993,40.259 72.263,38.989 196.87,38.989 203.781,32.078 203.781,31.978 203.781,26.216 U21.4
"Sensor 8": "R10_U_Multiplexer Bank2.1" "U4_U_Multiplexer Bank2.9" U23.4 | length 189.5
  Bottom Layer w0.3: 60.706,52.75 65.254,52.75 71.882,46.122 71.882,40.513 72.517,39.878 223.921,39.878 231.721,32.078 231.721,31.978 231.721,26.216 U23.4
"Sensor 9": "R3_U_Multiplexer Bank1.1" "U4_U_Multiplexer Bank1.4" U10.4 | length 37.1
  Top Layer w0.3: 30.988,47.386 28.463,47.386 26.543,45.466 26.543,38.227 30.988,33.782 40.287,33.782 41.599,32.47 41.604,32.47 42.091,31.983 42.091,31.978 42.091,25.962 U10.4
"Sensor 10": "R4_U_Multiplexer Bank1.1" "U4_U_Multiplexer Bank1.5" U12.4 | length 62.4
  Top Layer w0.3: 30.988,46.736 28.596,46.736 27.252,45.392 27.252,38.661 31.496,34.417 66.83,34.417 69.015,32.232 69.015,26.218 69.579,25.654 U12.4
"Sensor 11": "R5_U_Multiplexer Bank1.1" "U4_U_Multiplexer Bank1.6" U14.4 | length 89.4
  Top Layer w0.3: 30.988,46.086 28.814,46.086 27.94,45.212 27.94,38.989 31.75,35.179 95.128,35.179 98.303,32.004 98.303,26.154 U14.4
"Sensor 12": "R6_U_Multiplexer Bank1.1" "U4_U_Multiplexer Bank1.7" U16.4 | length 115.8
  Top Layer w0.3: 30.988,45.436 29.015,45.436 28.713,45.133 28.713,39 31.771,35.941 122.814,35.941 126.259,32.496 126.264,32.496 126.751,32.009 126.751,32.004 126.751,25.662 U16.4
"Sensor 13": "R7_U_Multiplexer Bank1.1" "U4_U_Multiplexer Bank1.12" U18.4 | length 133.1
  Top Layer w0.3: 37.288,46.736 39.787,46.736 40.549,45.974 43.815,45.974 v1(44.831,44.958) ; v1(46.736,37.338) 149.225,37.338 153.813,32.75 153.818,32.75 154.305,32.263 154.305,32.258 154.305,26.032 U18.4
  Bottom Layer w0.3: v1(44.831,44.958) 46.736,43.053 v1(46.736,37.338)
"Sensor 14": "R8_U_Multiplexer Bank1.1" "U4_U_Multiplexer Bank1.11" U20.4 | length 158.6
  Top Layer w0.3: 37.288,46.086 38.877,46.086 39.751,45.212 41.402,45.212 v1(42.418,44.196) ; v1(45.212,38.989) 132.188,38.989 133.169,38.008 175.987,38.008 181.499,32.496 181.504,32.496 181.991,32.009 181.991,32.004 181.991,26.218 182.555,25.654 U20.4
  Bottom Layer w0.3: v1(42.418,44.196) 45.212,41.402 v1(45.212,38.989)
"Sensor 15": "R9_U_Multiplexer Bank1.1" "U4_U_Multiplexer Bank1.10" U22.4 | length 185.2
  Top Layer w0.3: 37.288,45.436 37.663,45.436 37.759,45.34 37.892,45.34 39.29,43.942 v1(39.878,43.942) ; v1(43.053,40.513) 131.448,40.513 133.399,38.562 203.759,38.562 209.571,32.75 209.576,32.75 210.063,32.263 210.063,32.258 210.063,26.154 U22.4
  Bottom Layer w0.3: v1(39.878,43.942) 39.878,43.815 43.053,40.64 v1(43.053,40.513)
"Sensor 16": "R10_U_Multiplexer Bank1.1" "U4_U_Multiplexer Bank1.9" U24.4 | length 212.7
  Top Layer w0.3: 37.338,44.555 37.338,44.196 38.989,42.545 130.199,42.545 133.628,39.116 230.505,39.116 236.871,32.75 236.876,32.75 237.363,32.263 237.363,32.258 237.363,26.218 237.927,25.654 U24.4
TX: U1.5 U8.10 | length 38.6
  Top Layer w0.5: U1.5 78.474,99.568 81.903,96.139 v1(92.964,96.139) ; v1(104.902,95.758) U8.10
  Bottom Layer w0.3: v1(92.964,96.139) 93.154,95.948 104.712,95.948 v1(104.902,95.758)
pads on no net: D?.K@289.179,8.128 P2.0 P2.4 P2.5 P2.6 P2.7 R?.2@277.671,8.102 U1.2 U1.14 U8.1 U8.4 U8.8 U8.11 U8.12 U8.13 U8.14 U8.17 U8.18 U8.19 U8.20 U8.21 U8.22 U8.23 U8.24 U8.25 U8.26 U8.27 U8.28 U8.29 U8.30 U8.31 U8.32 U8.33 U8.34 U8.35 U8.36 U8.37 U8.38 U8.39 U8.40 U9.1 U9.5 U9.6 U9.7 U9.8 U10.1 U10.5 U10.6 U10.7 U10.8 U11.1 U11.5 U11.6 U11.7 U11.8 U12.1 U12.5 U12.6 U12.7 U12.8 U13.1 U13.5 U13.6 U13.7 U13.8 U14.1 U14.5 U14.6 U14.7 U14.8 U15.1 U15.5 U15.6 U15.7 U15.8 U16.1 U16.5 U16.6 U16.7 U16.8 U17.1 U17.5 U17.6 U17.7 U17.8 U18.1 U18.5 U18.6 U18.7 U18.8 U19.1 U19.5 U19.6 U19.7 U19.8 U20.1 U20.5 U20.6 U20.7 U20.8 U21.1 U21.5 U21.6 U21.7 U21.8 U22.1 U22.5 U22.6 U22.7 U22.8 U23.1 U23.5 U23.6 U23.7 U23.8 U24.1 U24.5 U24.6 U24.7 U24.8 U25.8 U25.9 U25.10 U25.12 U25.13 U25.14

## Polygon pours and split planes (outlines as drawn)
no net on Int1 (GND) (split plane): 267.714,5.844 19.052,5.844 19.052,146.048 267.714,146.048
no net on Int2 (PWR) (split plane): 267.714,5.844 19.052,5.844 19.052,146.048 267.714,146.048